# Altium PCB CFD_V1.03.PcbDoc (part 7 of 10) (continued)
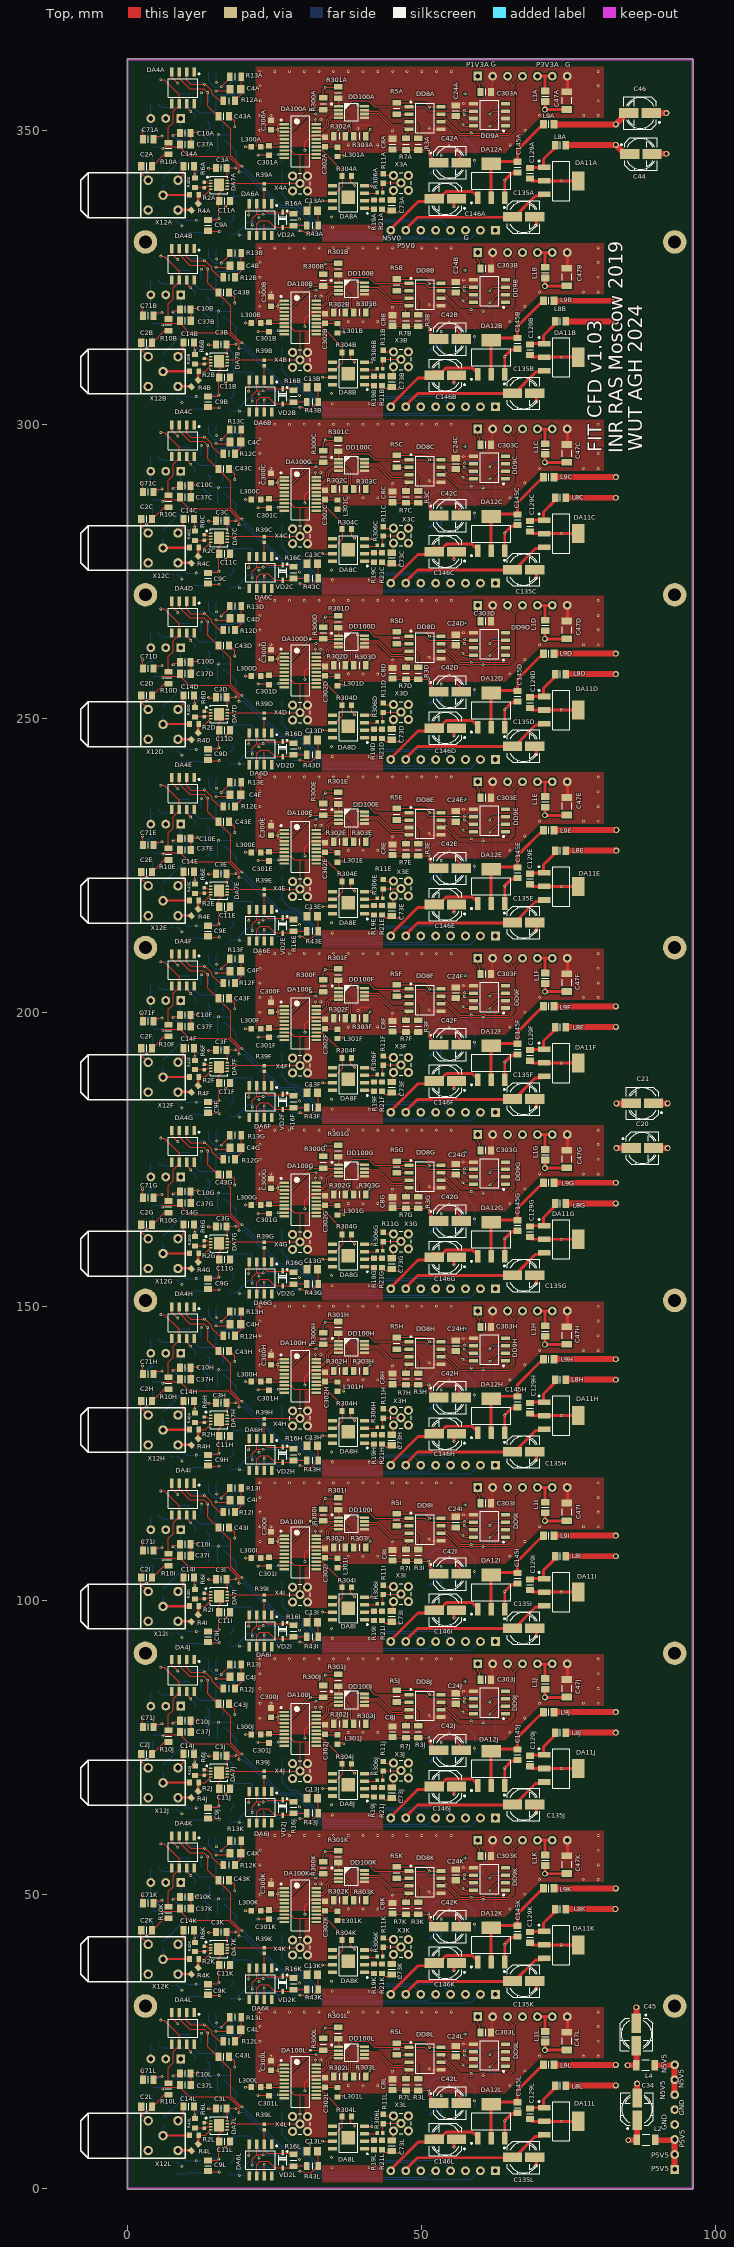
[diagram p0: Top view]
## Nets (pads, with @x,y where several pads share a name; then routed paths per layer and width w, separated by ;. In a path a pad name is that pad's centre, name@x,y a point inside that pad or via, vN(x,y) a via of type N, cw(c..) or ccw(c..) an arc to the next point about the centre after c; other vN are vias at no path point) (continued)
NetC16I_2: C16I.2 DD9I.2 R44I.2 | length 5.3
  Top w0.2: v1(61.616,110.668) 62.944,111.997 DD9I.2@63.505,111.997
  Bot w0.2: R44I.2@61.431,109.133 61.431,110.484 v1(61.616,110.668) C16I.2@62.514,111.567
NetC16J_2: C16J.2 DD9J.2 R44J.2 | length 5.3
  Top w0.2: v1(61.616,80.668) 62.944,81.997 DD9J.2@63.505,81.997
  Bot w0.2: R44J.2@61.431,79.133 61.431,80.484 v1(61.616,80.668) C16J.2@62.514,81.567
NetC16K_2: C16K.2 DD9K.2 R44K.2 | length 5.3
  Top w0.2: v1(61.616,50.668) 62.944,51.997 DD9K.2@63.505,51.997
  Bot w0.2: R44K.2@61.431,49.133 61.431,50.484 v1(61.616,50.668) C16K.2@62.514,51.567
NetC16L_2: C16L.2 DD9L.2 R44L.2 | length 5.3
  Top w0.2: v1(61.616,20.668) 62.944,21.997 DD9L.2@63.505,21.997
  Bot w0.2: R44L.2@61.431,19.133 61.431,20.484 v1(61.616,20.668) C16L.2@62.514,21.567
NetC17A_2: C17A.2 DD9A.3 R18A.2 | length 11.1
  Top w0.2: v1(61.543,352.718) 62.092,353.267 DD9A.3@63.985,353.267
  Bot w0.2: v1(61.543,352.718) 62.492,353.667 63.33,352.829 63.33,350.652 62.463,349.785 R18A.2@62.463,347.259
NetC17B_2: C17B.2 DD9B.3 R18B.2 | length 11.1
  Top w0.2: v1(61.543,322.718) 62.092,323.267 DD9B.3@63.985,323.267
  Bot w0.2: v1(61.543,322.718) 62.492,323.667 63.33,322.829 63.33,320.652 62.463,319.785 R18B.2@62.463,317.259
NetC17C_2: C17C.2 DD9C.3 R18C.2 | length 11.1
  Top w0.2: v1(61.543,292.718) 62.092,293.267 DD9C.3@63.985,293.267
  Bot w0.2: v1(61.543,292.718) 62.492,293.667 63.33,292.829 63.33,290.652 62.463,289.785 R18C.2@62.463,287.259
NetC17D_2: C17D.2 DD9D.3 R18D.2 | length 11.1
  Top w0.2: v1(61.543,262.718) 62.092,263.267 DD9D.3@63.985,263.267
  Bot w0.2: v1(61.543,262.718) 62.492,263.667 63.33,262.829 63.33,260.652 62.463,259.785 R18D.2@62.463,257.259
NetC17E_2: C17E.2 DD9E.3 R18E.2 | length 11.1
  Top w0.2: v1(61.543,232.718) 62.092,233.267 DD9E.3@63.985,233.267
  Bot w0.2: v1(61.543,232.718) 62.492,233.667 63.33,232.829 63.33,230.652 62.463,229.785 R18E.2@62.463,227.259
NetC17F_2: C17F.2 DD9F.3 R18F.2 | length 11.1
  Top w0.2: v1(61.543,202.718) 62.092,203.267 DD9F.3@63.985,203.267
  Bot w0.2: v1(61.543,202.718) 62.492,203.667 63.33,202.829 63.33,200.652 62.463,199.785 R18F.2@62.463,197.259
NetC17G_2: C17G.2 DD9G.3 R18G.2 | length 11.1
  Top w0.2: v1(61.543,172.718) 62.092,173.267 DD9G.3@63.985,173.267
  Bot w0.2: v1(61.543,172.718) 62.492,173.667 63.33,172.829 63.33,170.652 62.463,169.785 R18G.2@62.463,167.259
NetC17H_2: C17H.2 DD9H.3 R18H.2 | length 11.1
  Top w0.2: v1(61.543,142.718) 62.092,143.267 DD9H.3@63.985,143.267
  Bot w0.2: v1(61.543,142.718) 62.492,143.667 63.33,142.829 63.33,140.652 62.463,139.785 R18H.2@62.463,137.259
NetC17I_2: C17I.2 DD9I.3 R18I.2 | length 11.1
  Top w0.2: v1(61.543,112.718) 62.092,113.267 DD9I.3@63.985,113.267
  Bot w0.2: v1(61.543,112.718) 62.492,113.667 63.33,112.829 63.33,110.652 62.463,109.785 R18I.2@62.463,107.259
NetC17J_2: C17J.2 DD9J.3 R18J.2 | length 11.1
  Top w0.2: v1(61.543,82.718) 62.092,83.267 DD9J.3@63.985,83.267
  Bot w0.2: v1(61.543,82.718) 62.492,83.667 63.33,82.829 63.33,80.652 62.463,79.785 R18J.2@62.463,77.259
NetC17K_2: C17K.2 DD9K.3 R18K.2 | length 11.1
  Top w0.2: v1(61.543,52.718) 62.092,53.267 DD9K.3@63.985,53.267
  Bot w0.2: v1(61.543,52.718) 62.492,53.667 63.33,52.829 63.33,50.652 62.463,49.785 R18K.2@62.463,47.259
NetC17L_2: C17L.2 DD9L.3 R18L.2 | length 11.1
  Top w0.2: v1(61.543,22.718) 62.092,23.267 DD9L.3@63.985,23.267
  Bot w0.2: v1(61.543,22.718) 62.492,23.667 63.33,22.829 63.33,20.652 62.463,19.785 R18L.2@62.463,17.259
NetC22A_2: C22A.2 DA13A.8 | length 3.6
  Bot w0.25: DA13A.8@57.114,348.8 58.985,346.93 C22A.2@58.985,345.95
NetC22B_2: C22B.2 DA13B.8 | length 3.6
  Bot w0.25: DA13B.8@57.114,318.8 58.985,316.93 C22B.2@58.985,315.95
NetC22C_2: C22C.2 DA13C.8 | length 3.6
  Bot w0.25: DA13C.8@57.114,288.8 58.985,286.93 C22C.2@58.985,285.95
NetC22D_2: C22D.2 DA13D.8 | length 3.6
  Bot w0.25: DA13D.8@57.114,258.8 58.985,256.93 C22D.2@58.985,255.95
NetC22E_2: C22E.2 DA13E.8 | length 3.6
  Bot w0.25: DA13E.8@57.114,228.8 58.985,226.93 C22E.2@58.985,225.95
NetC22F_2: C22F.2 DA13F.8 | length 3.6
  Bot w0.25: DA13F.8@57.114,198.8 58.985,196.93 C22F.2@58.985,195.95
NetC22G_2: C22G.2 DA13G.8 | length 3.6
  Bot w0.25: DA13G.8@57.114,168.8 58.985,166.93 C22G.2@58.985,165.95
NetC22H_2: C22H.2 DA13H.8 | length 3.6
  Bot w0.25: DA13H.8@57.114,138.8 58.985,136.93 C22H.2@58.985,135.95
NetC22I_2: C22I.2 DA13I.8 | length 3.6
  Bot w0.25: DA13I.8@57.114,108.8 58.985,106.93 C22I.2@58.985,105.95
NetC22J_2: C22J.2 DA13J.8 | length 3.6
  Bot w0.25: DA13J.8@57.114,78.8 58.985,76.93 C22J.2@58.985,75.95
NetC22K_2: C22K.2 DA13K.8 | length 3.6
  Bot w0.25: DA13K.8@57.114,48.8 58.985,46.93 C22K.2@58.985,45.95
NetC22L_2: C22L.2 DA13L.8 | length 3.6
  Bot w0.25: DA13L.8@57.114,18.8 58.985,16.93 C22L.2@58.985,15.95
NetC41A_2: C41A.2 DA1A.2 DA1A.3 R1A.2 | length 5.5
  Bot w0.2: R1A.2@8.13,332.5 10.03,332.5 C41A.2@10.191,332.661 ; C41A.2@10.23,332.7 C41A.2@10.191,332.661 ; DA1A.2@13.45,332.6 12.5,332.6 12.5,332.661 C41A.2@10.191,332.661
NetC41B_2: C41B.2 DA1B.2 DA1B.3 R1B.2 | length 5.5
  Bot w0.2: R1B.2@8.13,302.5 10.03,302.5 C41B.2@10.191,302.661 ; C41B.2@10.23,302.7 C41B.2@10.191,302.661 ; DA1B.2@13.45,302.6 12.5,302.6 12.5,302.661 C41B.2@10.191,302.661
NetC41C_2: C41C.2 DA1C.2 DA1C.3 R1C.2 | length 5.5
  Bot w0.2: R1C.2@8.13,272.5 10.03,272.5 C41C.2@10.191,272.661 ; C41C.2@10.23,272.7 C41C.2@10.191,272.661 ; DA1C.2@13.45,272.6 12.5,272.6 12.5,272.661 C41C.2@10.191,272.661
NetC41D_2: C41D.2 DA1D.2 DA1D.3 R1D.2 | length 5.5
  Bot w0.2: R1D.2@8.13,242.5 10.03,242.5 C41D.2@10.191,242.661 ; C41D.2@10.23,242.7 C41D.2@10.191,242.661 ; DA1D.2@13.45,242.6 12.5,242.6 12.5,242.661 C41D.2@10.191,242.661
NetC41E_2: C41E.2 DA1E.2 DA1E.3 R1E.2 | length 5.5
  Bot w0.2: R1E.2@8.13,212.5 10.03,212.5 C41E.2@10.191,212.661 ; C41E.2@10.23,212.7 C41E.2@10.191,212.661 ; DA1E.2@13.45,212.6 12.5,212.6 12.5,212.661 C41E.2@10.191,212.661
NetC41F_2: C41F.2 DA1F.2 DA1F.3 R1F.2 | length 5.5
  Bot w0.2: R1F.2@8.13,182.5 10.03,182.5 C41F.2@10.191,182.661 ; C41F.2@10.23,182.7 C41F.2@10.191,182.661 ; DA1F.2@13.45,182.6 12.5,182.6 12.5,182.661 C41F.2@10.191,182.661
NetC41G_2: C41G.2 DA1G.2 DA1G.3 R1G.2 | length 5.5
  Bot w0.2: R1G.2@8.13,152.5 10.03,152.5 C41G.2@10.191,152.661 ; C41G.2@10.23,152.7 C41G.2@10.191,152.661 ; DA1G.2@13.45,152.6 12.5,152.6 12.5,152.661 C41G.2@10.191,152.661
NetC41H_2: C41H.2 DA1H.2 DA1H.3 R1H.2 | length 5.5
  Bot w0.2: R1H.2@8.13,122.5 10.03,122.5 C41H.2@10.191,122.661 ; C41H.2@10.23,122.7 C41H.2@10.191,122.661 ; DA1H.2@13.45,122.6 12.5,122.6 12.5,122.661 C41H.2@10.191,122.661
NetC41I_2: C41I.2 DA1I.2 DA1I.3 R1I.2 | length 5.5
  Bot w0.2: R1I.2@8.13,92.5 10.03,92.5 C41I.2@10.191,92.661 ; C41I.2@10.23,92.7 C41I.2@10.191,92.661 ; DA1I.2@13.45,92.6 12.5,92.6 12.5,92.661 C41I.2@10.191,92.661
NetC41J_2: C41J.2 DA1J.2 DA1J.3 R1J.2 | length 5.5
  Bot w0.2: R1J.2@8.13,62.5 10.03,62.5 C41J.2@10.191,62.661 ; C41J.2@10.23,62.7 C41J.2@10.191,62.661 ; DA1J.2@13.45,62.6 12.5,62.6 12.5,62.661 C41J.2@10.191,62.661
NetC41K_2: C41K.2 DA1K.2 DA1K.3 R1K.2 | length 5.5
  Bot w0.2: R1K.2@8.13,32.5 10.03,32.5 C41K.2@10.191,32.661 ; C41K.2@10.23,32.7 C41K.2@10.191,32.661 ; DA1K.2@13.45,32.6 12.5,32.6 12.5,32.661 C41K.2@10.191,32.661
NetC41L_2: C41L.2 DA1L.2 DA1L.3 R1L.2 | length 5.5
  Bot w0.2: R1L.2@8.13,2.5 10.03,2.5 C41L.2@10.191,2.661 ; C41L.2@10.23,2.7 C41L.2@10.191,2.661 ; DA1L.2@13.45,2.6 12.5,2.6 12.5,2.661 C41L.2@10.191,2.661
NetC129A_2: C129A.2 DA11A.1 L8A.2 | length 6.9
  Top w0.5: C129A.2@68.423,343.7 70.7,343.7 70.7,345.1 72.6,347 L8A.2@72.6,347.5
NetC129B_2: C129B.2 DA11B.1 L8B.2 | length 6.9
  Top w0.5: C129B.2@68.423,313.7 70.7,313.7 70.7,315.1 72.6,317 L8B.2@72.6,317.5
NetC129C_2: C129C.2 DA11C.1 L8C.2 | length 6.9
  Top w0.5: C129C.2@68.423,283.7 70.7,283.7 70.7,285.1 72.6,287 L8C.2@72.6,287.5
NetC129D_2: C129D.2 DA11D.1 L8D.2 | length 6.9
  Top w0.5: C129D.2@68.423,253.7 70.7,253.7 70.7,255.1 72.6,257 L8D.2@72.6,257.5
NetC129E_2: C129E.2 DA11E.1 L8E.2 | length 6.9
  Top w0.5: C129E.2@68.423,223.7 70.7,223.7 70.7,225.1 72.6,227 L8E.2@72.6,227.5
NetC129F_2: C129F.2 DA11F.1 L8F.2 | length 6.9
  Top w0.5: C129F.2@68.423,193.7 70.7,193.7 70.7,195.1 72.6,197 L8F.2@72.6,197.5
NetC129G_2: C129G.2 DA11G.1 L8G.2 | length 6.9
  Top w0.5: C129G.2@68.423,163.7 70.7,163.7 70.7,165.1 72.6,167 L8G.2@72.6,167.5
NetC129H_2: C129H.2 DA11H.1 L8H.2 | length 6.9
  Top w0.5: C129H.2@68.423,133.7 70.7,133.7 70.7,135.1 72.6,137 L8H.2@72.6,137.5
NetC129I_2: C129I.2 DA11I.1 L8I.2 | length 6.9
  Top w0.5: C129I.2@68.423,103.7 70.7,103.7 70.7,105.1 72.6,107 L8I.2@72.6,107.5
NetC129J_2: C129J.2 DA11J.1 L8J.2 | length 6.9
  Top w0.5: C129J.2@68.423,73.7 70.7,73.7 70.7,75.1 72.6,77 L8J.2@72.6,77.5
NetC129K_2: C129K.2 DA11K.1 L8K.2 | length 6.9
  Top w0.5: C129K.2@68.423,43.7 70.7,43.7 70.7,45.1 72.6,47 L8K.2@72.6,47.5
NetC129L_2: C129L.2 DA11L.1 L8L.2 | length 6.9
  Top w0.5: C129L.2@68.423,13.7 70.7,13.7 70.7,15.1 72.6,17 L8L.2@72.6,17.5
NetC145A_2: C145A.2 DA12A.2 DA12A.4 L9A.2 | length 18.9
  Top w0.5: DA12A.2@61.8,338.4 61.8,344.7 66.3,344.7 66.3,346.7 L9A.2@70.615,351.015
NetC145B_2: C145B.2 DA12B.2 DA12B.4 L9B.2 | length 18.9
  Top w0.5: DA12B.2@61.8,308.4 61.8,314.7 66.3,314.7 66.3,316.7 L9B.2@70.615,321.015
NetC145C_2: C145C.2 DA12C.2 DA12C.4 L9C.2 | length 18.9
  Top w0.5: DA12C.2@61.8,278.4 61.8,284.7 66.3,284.7 66.3,286.7 L9C.2@70.615,291.015
NetC145D_2: C145D.2 DA12D.2 DA12D.4 L9D.2 | length 18.9
  Top w0.5: DA12D.2@61.8,248.4 61.8,254.7 66.3,254.7 66.3,256.7 L9D.2@70.615,261.015
NetC145E_2: C145E.2 DA12E.2 DA12E.4 L9E.2 | length 18.9
  Top w0.5: DA12E.2@61.8,218.4 61.8,224.7 66.3,224.7 66.3,226.7 L9E.2@70.615,231.015
NetC145F_2: C145F.2 DA12F.2 DA12F.4 L9F.2 | length 18.9
  Top w0.5: DA12F.2@61.8,188.4 61.8,194.7 66.3,194.7 66.3,196.7 L9F.2@70.615,201.015
NetC145G_2: C145G.2 DA12G.2 DA12G.4 L9G.2 | length 18.9
  Top w0.5: DA12G.2@61.8,158.4 61.8,164.7 66.3,164.7 66.3,166.7 L9G.2@70.615,171.015
NetC145H_2: C145H.2 DA12H.2 DA12H.4 L9H.2 | length 18.9
  Top w0.5: DA12H.2@61.8,128.4 61.8,134.7 66.3,134.7 66.3,136.7 L9H.2@70.615,141.015
NetC145I_2: C145I.2 DA12I.2 DA12I.4 L9I.2 | length 18.9
  Top w0.5: DA12I.2@61.8,98.4 61.8,104.7 66.3,104.7 66.3,106.7 L9I.2@70.615,111.015
NetC145J_2: C145J.2 DA12J.2 DA12J.4 L9J.2 | length 18.9
  Top w0.5: DA12J.2@61.8,68.4 61.8,74.7 66.3,74.7 66.3,76.7 L9J.2@70.615,81.015
NetC145K_2: C145K.2 DA12K.2 DA12K.4 L9K.2 | length 18.9
  Top w0.5: DA12K.2@61.8,38.4 61.8,44.7 66.3,44.7 66.3,46.7 L9K.2@70.615,51.015
NetC145L_2: C145L.2 DA12L.2 DA12L.4 L9L.2 | length 18.9
  Top w0.5: DA12L.2@61.8,8.4 61.8,14.7 66.3,14.7 66.3,16.7 L9L.2@70.615,21.015
NetC301A_2: C301A.2 DA100A.7 L300A.2 | length 4.3
  Top w0.2: L300A.2@22.53,347.2 24.03,347.2 26.825,347.2 DA100A.7@26.83,347.195
NetC301B_2: C301B.2 DA100B.7 L300B.2 | length 4.3
  Top w0.2: L300B.2@22.53,317.2 24.03,317.2 26.825,317.2 DA100B.7@26.83,317.195
NetC301C_2: C301C.2 DA100C.7 L300C.2 | length 4.3
  Top w0.2: L300C.2@22.53,287.2 24.03,287.2 26.825,287.2 DA100C.7@26.83,287.195
NetC301D_2: C301D.2 DA100D.7 L300D.2 | length 4.3
  Top w0.2: L300D.2@22.53,257.2 24.03,257.2 26.825,257.2 DA100D.7@26.83,257.195
NetC301E_2: C301E.2 DA100E.7 L300E.2 | length 4.3
  Top w0.2: L300E.2@22.53,227.2 24.03,227.2 26.825,227.2 DA100E.7@26.83,227.195
NetC301F_2: C301F.2 DA100F.7 L300F.2 | length 4.3
  Top w0.2: L300F.2@22.53,197.2 24.03,197.2 26.825,197.2 DA100F.7@26.83,197.195
NetC301G_2: C301G.2 DA100G.7 L300G.2 | length 4.3
  Top w0.2: L300G.2@22.53,167.2 24.03,167.2 26.825,167.2 DA100G.7@26.83,167.195
NetC301H_2: C301H.2 DA100H.7 L300H.2 | length 4.3
  Top w0.2: L300H.2@22.53,137.2 24.03,137.2 26.825,137.2 DA100H.7@26.83,137.195
NetC301I_2: C301I.2 DA100I.7 L300I.2 | length 4.3
  Top w0.2: L300I.2@22.53,107.2 24.03,107.2 26.825,107.2 DA100I.7@26.83,107.195
NetC301J_2: C301J.2 DA100J.7 L300J.2 | length 4.3
  Top w0.2: L300J.2@22.53,77.2 24.03,77.2 26.825,77.2 DA100J.7@26.83,77.195
NetC301K_2: C301K.2 DA100K.7 L300K.2 | length 4.3
  Top w0.2: L300K.2@22.53,47.2 24.03,47.2 26.825,47.2 DA100K.7@26.83,47.195
NetC301L_2: C301L.2 DA100L.7 L300L.2 | length 4.3
  Top w0.2: L300L.2@22.53,17.2 24.03,17.2 26.825,17.2 DA100L.7@26.83,17.195
NetC302A_2: C302A.2 DA100A.14 L301A.1 | length 3.8
  Top w0.2: DA100A.14@31.83,347.195 31.832,347.197 33.527,347.197 33.53,347.2 33.555,347.175 35.605,347.175 L301A.1@35.63,347.15
NetC302B_2: C302B.2 DA100B.14 L301B.1 | length 3.8
  Top w0.2: DA100B.14@31.83,317.195 31.832,317.197 33.527,317.197 33.53,317.2 33.555,317.175 35.605,317.175 L301B.1@35.63,317.15
NetC302C_2: C302C.2 DA100C.14 L301C.1 | length 3.8
  Top w0.2: DA100C.14@31.83,287.195 31.832,287.197 33.527,287.197 33.53,287.2 33.555,287.175 35.605,287.175 L301C.1@35.63,287.15
NetC302D_2: C302D.2 DA100D.14 L301D.1 | length 3.8
  Top w0.2: DA100D.14@31.83,257.195 31.832,257.197 33.527,257.197 33.53,257.2 33.555,257.175 35.605,257.175 L301D.1@35.63,257.15
NetC302E_2: C302E.2 DA100E.14 L301E.1 | length 3.8
  Top w0.2: DA100E.14@31.83,227.195 31.832,227.197 33.527,227.197 33.53,227.2 33.555,227.175 35.605,227.175 L301E.1@35.63,227.15
NetC302F_2: C302F.2 DA100F.14 L301F.1 | length 3.8
  Top w0.2: DA100F.14@31.83,197.195 31.832,197.197 33.527,197.197 33.53,197.2 33.555,197.175 35.605,197.175 L301F.1@35.63,197.15
NetC302G_2: C302G.2 DA100G.14 L301G.1 | length 3.8
  Top w0.2: DA100G.14@31.83,167.195 31.832,167.197 33.527,167.197 33.53,167.2 33.555,167.175 35.605,167.175 L301G.1@35.63,167.15
NetC302H_2: C302H.2 DA100H.14 L301H.1 | length 3.8
  Top w0.2: DA100H.14@31.83,137.195 31.832,137.197 33.527,137.197 33.53,137.2 33.555,137.175 35.605,137.175 L301H.1@35.63,137.15
NetC302I_2: C302I.2 DA100I.14 L301I.1 | length 3.8
  Top w0.2: DA100I.14@31.83,107.195 31.832,107.197 33.527,107.197 33.53,107.2 33.555,107.175 35.605,107.175 L301I.1@35.63,107.15
NetC302J_2: C302J.2 DA100J.14 L301J.1 | length 3.8
  Top w0.2: DA100J.14@31.83,77.195 31.832,77.197 33.527,77.197 33.53,77.2 33.555,77.175 35.605,77.175 L301J.1@35.63,77.15
NetC302K_2: C302K.2 DA100K.14 L301K.1 | length 3.8
  Top w0.2: DA100K.14@31.83,47.195 31.832,47.197 33.527,47.197 33.53,47.2 33.555,47.175 35.605,47.175 L301K.1@35.63,47.15
NetC302L_2: C302L.2 DA100L.14 L301L.1 | length 3.8
  Top w0.2: DA100L.14@31.83,17.195 31.832,17.197 33.527,17.197 33.53,17.2 33.555,17.175 35.605,17.175 L301L.1@35.63,17.15
NetC403A_2: C403A.2 DA100A.9 R401A.2 | length 3.9
  Top w0.2: v1(25.63,345.9) 25.642,345.912 26.817,345.912 DA100A.9@26.83,345.925
  Bot w0.2: C403A.2@24.53,345.9 v1(25.63,345.9) 26.25,345.28 R401A.2@26.25,344.53
NetC403B_2: C403B.2 DA100B.9 R401B.2 | length 3.9
  Top w0.2: v1(25.63,315.9) 25.642,315.912 26.817,315.912 DA100B.9@26.83,315.925
  Bot w0.2: C403B.2@24.53,315.9 v1(25.63,315.9) 26.25,315.28 R401B.2@26.25,314.53
NetC403C_2: C403C.2 DA100C.9 R401C.2 | length 3.9
  Top w0.2: v1(25.63,285.9) 25.642,285.912 26.817,285.912 DA100C.9@26.83,285.925
  Bot w0.2: C403C.2@24.53,285.9 v1(25.63,285.9) 26.25,285.28 R401C.2@26.25,284.53
NetC403D_2: C403D.2 DA100D.9 R401D.2 | length 3.9
  Top w0.2: v1(25.63,255.9) 25.642,255.912 26.817,255.912 DA100D.9@26.83,255.925
  Bot w0.2: C403D.2@24.53,255.9 v1(25.63,255.9) 26.25,255.28 R401D.2@26.25,254.53
NetC403E_2: C403E.2 DA100E.9 R401E.2 | length 3.9
  Top w0.2: v1(25.63,225.9) 25.642,225.912 26.817,225.912 DA100E.9@26.83,225.925
  Bot w0.2: C403E.2@24.53,225.9 v1(25.63,225.9) 26.25,225.28 R401E.2@26.25,224.53
NetC403F_2: C403F.2 DA100F.9 R401F.2 | length 3.9
  Top w0.2: v1(25.63,195.9) 25.642,195.912 26.817,195.912 DA100F.9@26.83,195.925
  Bot w0.2: C403F.2@24.53,195.9 v1(25.63,195.9) 26.25,195.28 R401F.2@26.25,194.53
NetC403G_2: C403G.2 DA100G.9 R401G.2 | length 3.9
  Top w0.2: v1(25.63,165.9) 25.642,165.912 26.817,165.912 DA100G.9@26.83,165.925
  Bot w0.2: C403G.2@24.53,165.9 v1(25.63,165.9) 26.25,165.28 R401G.2@26.25,164.53
NetC403H_2: C403H.2 DA100H.9 R401H.2 | length 3.9
  Top w0.2: v1(25.63,135.9) 25.642,135.912 26.817,135.912 DA100H.9@26.83,135.925
  Bot w0.2: C403H.2@24.53,135.9 v1(25.63,135.9) 26.25,135.28 R401H.2@26.25,134.53
NetC403I_2: C403I.2 DA100I.9 R401I.2 | length 3.9
  Top w0.2: v1(25.63,105.9) 25.642,105.912 26.817,105.912 DA100I.9@26.83,105.925
  Bot w0.2: C403I.2@24.53,105.9 v1(25.63,105.9) 26.25,105.28 R401I.2@26.25,104.53
NetC403J_2: C403J.2 DA100J.9 R401J.2 | length 3.9
  Top w0.2: v1(25.63,75.9) 25.642,75.912 26.817,75.912 DA100J.9@26.83,75.925
  Bot w0.2: C403J.2@24.53,75.9 v1(25.63,75.9) 26.25,75.28 R401J.2@26.25,74.53
NetC403K_2: C403K.2 DA100K.9 R401K.2 | length 3.9
  Top w0.2: v1(25.63,45.9) 25.642,45.912 26.817,45.912 DA100K.9@26.83,45.925
  Bot w0.2: C403K.2@24.53,45.9 v1(25.63,45.9) 26.25,45.28 R401K.2@26.25,44.53
NetC403L_2: C403L.2 DA100L.9 R401L.2 | length 3.9
  Top w0.2: v1(25.63,15.9) 25.642,15.912 26.817,15.912 DA100L.9@26.83,15.925
  Bot w0.2: C403L.2@24.53,15.9 v1(25.63,15.9) 26.25,15.28 R401L.2@26.25,14.53
NetDA2A_8: DA2A.8 R8A.1 R50A.2 | length 7.5
  Bot w0.15: R50A.2@6,342.05 R50A.2@6.15,342.05
  Bot w0.2: R50A.2@6.15,342.05 9.2,345.1 9.2,345.9 R8A.1@11.4,345.9
NetDA2B_8: DA2B.8 R8B.1 R50B.2 | length 7.5
  Bot w0.15: R50B.2@6,312.05 R50B.2@6.15,312.05
  Bot w0.2: R50B.2@6.15,312.05 9.2,315.1 9.2,315.9 R8B.1@11.4,315.9
NetDA2C_8: DA2C.8 R8C.1 R50C.2 | length 7.5
  Bot w0.15: R50C.2@6,282.05 R50C.2@6.15,282.05
  Bot w0.2: R50C.2@6.15,282.05 9.2,285.1 9.2,285.9 R8C.1@11.4,285.9
NetDA2D_8: DA2D.8 R8D.1 R50D.2 | length 7.5
  Bot w0.15: R50D.2@6,252.05 R50D.2@6.15,252.05
  Bot w0.2: R50D.2@6.15,252.05 9.2,255.1 9.2,255.9 R8D.1@11.4,255.9
NetDA2E_8: DA2E.8 R8E.1 R50E.2 | length 7.5
  Bot w0.15: R50E.2@6,222.05 R50E.2@6.15,222.05
  Bot w0.2: R50E.2@6.15,222.05 9.2,225.1 9.2,225.9 R8E.1@11.4,225.9
NetDA2F_8: DA2F.8 R8F.1 R50F.2 | length 7.5
  Bot w0.15: R50F.2@6,192.05 R50F.2@6.15,192.05
  Bot w0.2: R50F.2@6.15,192.05 9.2,195.1 9.2,195.9 R8F.1@11.4,195.9
NetDA2G_8: DA2G.8 R8G.1 R50G.2 | length 7.5
  Bot w0.15: R50G.2@6,162.05 R50G.2@6.15,162.05
  Bot w0.2: R50G.2@6.15,162.05 9.2,165.1 9.2,165.9 R8G.1@11.4,165.9
NetDA2H_8: DA2H.8 R8H.1 R50H.2 | length 7.5
  Bot w0.15: R50H.2@6,132.05 R50H.2@6.15,132.05
  Bot w0.2: R50H.2@6.15,132.05 9.2,135.1 9.2,135.9 R8H.1@11.4,135.9
NetDA2I_8: DA2I.8 R8I.1 R50I.2 | length 7.5
  Bot w0.15: R50I.2@6,102.05 R50I.2@6.15,102.05
  Bot w0.2: R50I.2@6.15,102.05 9.2,105.1 9.2,105.9 R8I.1@11.4,105.9
NetDA2J_8: DA2J.8 R8J.1 R50J.2 | length 7.5
  Bot w0.15: R50J.2@6,72.05 R50J.2@6.15,72.05
  Bot w0.2: R50J.2@6.15,72.05 9.2,75.1 9.2,75.9 R8J.1@11.4,75.9
NetDA2K_8: DA2K.8 R8K.1 R50K.2 | length 7.5
  Bot w0.15: R50K.2@6,42.05 R50K.2@6.15,42.05
  Bot w0.2: R50K.2@6.15,42.05 9.2,45.1 9.2,45.9 R8K.1@11.4,45.9
NetDA2L_8: DA2L.8 R8L.1 R50L.2 | length 7.5
  Bot w0.15: R50L.2@6,12.05 R50L.2@6.15,12.05
  Bot w0.2: R50L.2@6.15,12.05 9.2,15.1 9.2,15.9 R8L.1@11.4,15.9
NetDA4A_6: DA4A.6 R10A.1 R15A.2 | length 15
  Top w0.2: v1(5.6,358.6) 6.185,358.6 8.73,356.055 8.73,354.7 8.73,354.25 7.7,353.22 7.7,351.314 6.9,350.514 R10A.1@6.9,347.9
  Bot w0.2: v1(5.6,358.6) 6.1,358.6 R15A.2@7.086,357.614
NetDA4B_6: DA4B.6 R10B.1 R15B.2 | length 15
  Top w0.2: v1(5.6,328.6) 6.185,328.6 8.73,326.055 8.73,324.7 8.73,324.25 7.7,323.22 7.7,321.314 6.9,320.514 R10B.1@6.9,317.9
  Bot w0.2: v1(5.6,328.6) 6.1,328.6 R15B.2@7.086,327.614
NetDA4C_6: DA4C.6 R10C.1 R15C.2 | length 15
  Top w0.2: v1(5.6,298.6) 6.185,298.6 8.73,296.055 8.73,294.7 8.73,294.25 7.7,293.22 7.7,291.314 6.9,290.514 R10C.1@6.9,287.9
  Bot w0.2: v1(5.6,298.6) 6.1,298.6 R15C.2@7.086,297.614
NetDA4D_6: DA4D.6 R10D.1 R15D.2 | length 15
  Top w0.2: v1(5.6,268.6) 6.185,268.6 8.73,266.055 8.73,264.7 8.73,264.25 7.7,263.22 7.7,261.314 6.9,260.514 R10D.1@6.9,257.9
  Bot w0.2: v1(5.6,268.6) 6.1,268.6 R15D.2@7.086,267.614
NetDA4E_6: DA4E.6 R10E.1 R15E.2 | length 15
  Top w0.2: v1(5.6,238.6) 6.185,238.6 8.73,236.055 8.73,234.7 8.73,234.25 7.7,233.22 7.7,231.314 6.9,230.514 R10E.1@6.9,227.9
  Bot w0.2: v1(5.6,238.6) 6.1,238.6 R15E.2@7.086,237.614
NetDA4F_6: DA4F.6 R10F.1 R15F.2 | length 15
  Top w0.2: v1(5.6,208.6) 6.185,208.6 8.73,206.055 8.73,204.7 8.73,204.25 7.7,203.22 7.7,201.314 6.9,200.514 R10F.1@6.9,197.9
  Bot w0.2: v1(5.6,208.6) 6.1,208.6 R15F.2@7.086,207.614
NetDA4G_6: DA4G.6 R10G.1 R15G.2 | length 15
  Top w0.2: v1(5.6,178.6) 6.185,178.6 8.73,176.055 8.73,174.7 8.73,174.25 7.7,173.22 7.7,171.314 6.9,170.514 R10G.1@6.9,167.9
  Bot w0.2: v1(5.6,178.6) 6.1,178.6 R15G.2@7.086,177.614
NetDA4H_6: DA4H.6 R10H.1 R15H.2 | length 15
  Top w0.2: v1(5.6,148.6) 6.185,148.6 8.73,146.055 8.73,144.7 8.73,144.25 7.7,143.22 7.7,141.314 6.9,140.514 R10H.1@6.9,137.9
  Bot w0.2: v1(5.6,148.6) 6.1,148.6 R15H.2@7.086,147.614
NetDA4I_6: DA4I.6 R10I.1 R15I.2 | length 15
  Top w0.2: v1(5.6,118.6) 6.185,118.6 8.73,116.055 8.73,114.7 8.73,114.25 7.7,113.22 7.7,111.314 6.9,110.514 R10I.1@6.9,107.9
  Bot w0.2: v1(5.6,118.6) 6.1,118.6 R15I.2@7.086,117.614
NetDA4J_6: DA4J.6 R10J.1 R15J.2 | length 15
  Top w0.2: v1(5.6,88.6) 6.185,88.6 8.73,86.055 8.73,84.7 8.73,84.25 7.7,83.22 7.7,81.314 6.9,80.514 R10J.1@6.9,77.9
  Bot w0.2: v1(5.6,88.6) 6.1,88.6 R15J.2@7.086,87.614
NetDA4K_6: DA4K.6 R10K.1 R15K.2 | length 15
  Top w0.2: v1(5.6,58.6) 6.185,58.6 8.73,56.055 8.73,54.7 8.73,54.25 7.7,53.22 7.7,51.314 6.9,50.514 R10K.1@6.9,47.9
  Bot w0.2: v1(5.6,58.6) 6.1,58.6 R15K.2@7.086,57.614
NetDA4L_6: DA4L.6 R10L.1 R15L.2 | length 15
  Top w0.2: v1(5.6,28.6) 6.185,28.6 8.73,26.055 8.73,24.7 8.73,24.25 7.7,23.22 7.7,21.314 6.9,20.514 R10L.1@6.9,17.9
  Bot w0.2: v1(5.6,28.6) 6.1,28.6 R15L.2@7.086,27.614
NetDA6A_2: DA6A.2 pad.1@23.2,340.05 R16A.2 R39A.2 VD2A.1 | length 8.8
  Top w0.2: pad.1@23.2,340.05 23.2,337.5 23.2,336.5 23.3,336.4 23.32,336.4 23.72,336 26.325,336 28,336 R16A.2@28.2,335.8
NetDA6B_2: DA6B.2 R16B.2 R39B.2 VD2B.1 | length 8.8
  Top w0.2: R39B.2@23.2,310.05 23.2,306.5 23.3,306.4 23.32,306.4 23.72,306 26.325,306 28,306 R16B.2@28.2,305.8
NetDA6C_2: DA6C.2 R16C.2 R39C.2 VD2C.1 | length 8.8
  Top w0.2: R39C.2@23.2,280.05 23.2,276.5 23.3,276.4 23.32,276.4 23.72,276 26.325,276 28,276 R16C.2@28.2,275.8
NetDA6D_2: DA6D.2 R16D.2 R39D.2 VD2D.1 | length 8.8
  Top w0.2: R39D.2@23.2,250.05 23.2,246.5 23.3,246.4 23.32,246.4 23.72,246 26.325,246 28,246 R16D.2@28.2,245.8
NetDA6E_2: DA6E.2 R16E.2 R39E.2 VD2E.1 | length 8.8
  Top w0.2: R39E.2@23.2,220.05 23.2,216.5 23.3,216.4 23.32,216.4 23.72,216 26.325,216 28,216 R16E.2@28.2,215.8
NetDA6F_2: DA6F.2 R16F.2 R39F.2 VD2F.1 | length 8.8
  Top w0.2: R39F.2@23.2,190.05 23.2,186.5 23.3,186.4 23.32,186.4 23.72,186 26.325,186 28,186 R16F.2@28.2,185.8
NetDA6G_2: DA6G.2 R16G.2 R39G.2 VD2G.1 | length 8.8
  Top w0.2: R39G.2@23.2,160.05 23.2,156.5 23.3,156.4 23.32,156.4 23.72,156 26.325,156 28,156 R16G.2@28.2,155.8
NetDA6H_2: DA6H.2 R16H.2 R39H.2 VD2H.1 | length 8.8
  Top w0.2: R39H.2@23.2,130.05 23.2,126.5 23.3,126.4 23.32,126.4 23.72,126 26.325,126 28,126 R16H.2@28.2,125.8
NetDA6I_2: DA6I.2 R16I.2 R39I.2 VD2I.1 | length 8.8
  Top w0.2: R39I.2@23.2,100.05 23.2,96.5 23.3,96.4 23.32,96.4 23.72,96 26.325,96 28,96 R16I.2@28.2,95.8
NetDA6J_2: DA6J.2 R16J.2 R39J.2 VD2J.1 | length 8.8
  Top w0.2: R39J.2@23.2,70.05 23.2,66.5 23.3,66.4 23.32,66.4 23.72,66 26.325,66 28,66 R16J.2@28.2,65.8
NetDA6K_2: DA6K.2 R16K.2 R39K.2 VD2K.1 | length 8.8
  Top w0.2: R39K.2@23.2,40.05 23.2,36.5 23.3,36.4 23.32,36.4 23.72,36 26.325,36 28,36 R16K.2@28.2,35.8
NetDA6L_2: DA6L.2 R16L.2 R39L.2 VD2L.1 | length 8.8
  Top w0.2: R39L.2@23.2,10.05 23.2,6.5 23.3,6.4 23.32,6.4 23.72,6 26.325,6 28,6 R16L.2@28.2,5.8
NetDA7A_2: DA7A.2 R6A.2 | length 1.2
  Top w0.15: R6A.2@13,341.2 13.4,341.2 13.65,340.95 DA7A.2@14.1,340.95
NetDA7A_3: DA7A.3 R6A.1 R40A.2 | length 2.8
  Top w0.15: R40A.2@11.4,340.3 13,340.3 13.4,340.3 13.55,340.45 DA7A.3@14.1,340.45
NetDA7A_4: DA7A.4 R2A.2 R4A.2 | length 4.1
  Top w0.15: R2A.2@12,339 13.15,339 DA7A.4@14.1,339.95
  Top w0.4: R4A.2@12,337.415 R2A.2@12,339
NetDA7B_2: DA7B.2 R6B.2 | length 1.2
  Top w0.15: R6B.2@13,311.2 13.4,311.2 13.65,310.95 DA7B.2@14.1,310.95
NetDA7B_3: DA7B.3 R6B.1 R40B.2 | length 2.8
  Top w0.15: R40B.2@11.4,310.3 13,310.3 13.4,310.3 13.55,310.45 DA7B.3@14.1,310.45
NetDA7B_4: DA7B.4 R2B.2 R4B.2 | length 4.1
  Top w0.15: R2B.2@12,309 13.15,309 DA7B.4@14.1,309.95
  Top w0.4: R4B.2@12,307.415 R2B.2@12,309
NetDA7C_2: DA7C.2 R6C.2 | length 1.2
  Top w0.15: R6C.2@13,281.2 13.4,281.2 13.65,280.95 DA7C.2@14.1,280.95
NetDA7C_3: DA7C.3 R6C.1 R40C.2 | length 2.8
  Top w0.15: R40C.2@11.4,280.3 13,280.3 13.4,280.3 13.55,280.45 DA7C.3@14.1,280.45
NetDA7C_4: DA7C.4 R2C.2 R4C.2 | length 4.1
  Top w0.15: R2C.2@12,279 13.15,279 DA7C.4@14.1,279.95
  Top w0.4: R4C.2@12,277.415 R2C.2@12,279
NetDA7D_2: DA7D.2 R6D.2 | length 1.2
  Top w0.15: R6D.2@13,251.2 13.4,251.2 13.65,250.95 DA7D.2@14.1,250.95
NetDA7D_3: DA7D.3 R6D.1 R40D.2 | length 2.8
  Top w0.15: R40D.2@11.4,250.3 13,250.3 13.4,250.3 13.55,250.45 DA7D.3@14.1,250.45
NetDA7D_4: DA7D.4 R2D.2 R4D.2 | length 4.1
  Top w0.15: R2D.2@12,249 13.15,249 DA7D.4@14.1,249.95
  Top w0.4: R4D.2@12,247.415 R2D.2@12,249
NetDA7E_2: DA7E.2 R6E.2 | length 1.2
  Top w0.15: R6E.2@13,221.2 13.4,221.2 13.65,220.95 DA7E.2@14.1,220.95
NetDA7E_3: DA7E.3 R6E.1 R40E.2 | length 2.8
  Top w0.15: R40E.2@11.4,220.3 13,220.3 13.4,220.3 13.55,220.45 DA7E.3@14.1,220.45
NetDA7E_4: DA7E.4 R2E.2 R4E.2 | length 4.1
  Top w0.15: R2E.2@12,219 13.15,219 DA7E.4@14.1,219.95
  Top w0.4: R4E.2@12,217.415 R2E.2@12,219
NetDA7F_2: DA7F.2 R6F.2 | length 1.2
  Top w0.15: R6F.2@13,191.2 13.4,191.2 13.65,190.95 DA7F.2@14.1,190.95
NetDA7F_3: DA7F.3 R6F.1 R40F.2 | length 2.8
  Top w0.15: R40F.2@11.4,190.3 13,190.3 13.4,190.3 13.55,190.45 DA7F.3@14.1,190.45
NetDA7F_4: DA7F.4 R2F.2 R4F.2 | length 4.1
  Top w0.15: R2F.2@12,189 13.15,189 DA7F.4@14.1,189.95
  Top w0.4: R4F.2@12,187.415 R2F.2@12,189
NetDA7G_2: DA7G.2 R6G.2 | length 1.2
  Top w0.15: R6G.2@13,161.2 13.4,161.2 13.65,160.95 DA7G.2@14.1,160.95
NetDA7G_3: DA7G.3 R6G.1 R40G.2 | length 2.8
  Top w0.15: R40G.2@11.4,160.3 13,160.3 13.4,160.3 13.55,160.45 DA7G.3@14.1,160.45
NetDA7G_4: DA7G.4 R2G.2 R4G.2 | length 4.1
  Top w0.15: R2G.2@12,159 13.15,159 DA7G.4@14.1,159.95
  Top w0.4: R4G.2@12,157.415 R2G.2@12,159
NetDA7H_2: DA7H.2 R6H.2 | length 1.2
  Top w0.15: R6H.2@13,131.2 13.4,131.2 13.65,130.95 DA7H.2@14.1,130.95
NetDA7H_3: DA7H.3 R6H.1 R40H.2 | length 2.8
  Top w0.15: R40H.2@11.4,130.3 13,130.3 13.4,130.3 13.55,130.45 DA7H.3@14.1,130.45
NetDA7H_4: DA7H.4 R2H.2 R4H.2 | length 4.1
  Top w0.15: R2H.2@12,129 13.15,129 DA7H.4@14.1,129.95
  Top w0.4: R4H.2@12,127.415 R2H.2@12,129